# Altium PCB PCB.PcbDoc
Units mm, origin at the board's own origin, x right, y up, seen from the top; angles counter-clockwise.
Board outline 65 x 33 mm, 2 copper layers (Top Layer, Bottom Layer); 79 components, 43 nets, 264 pads, 107 vias.
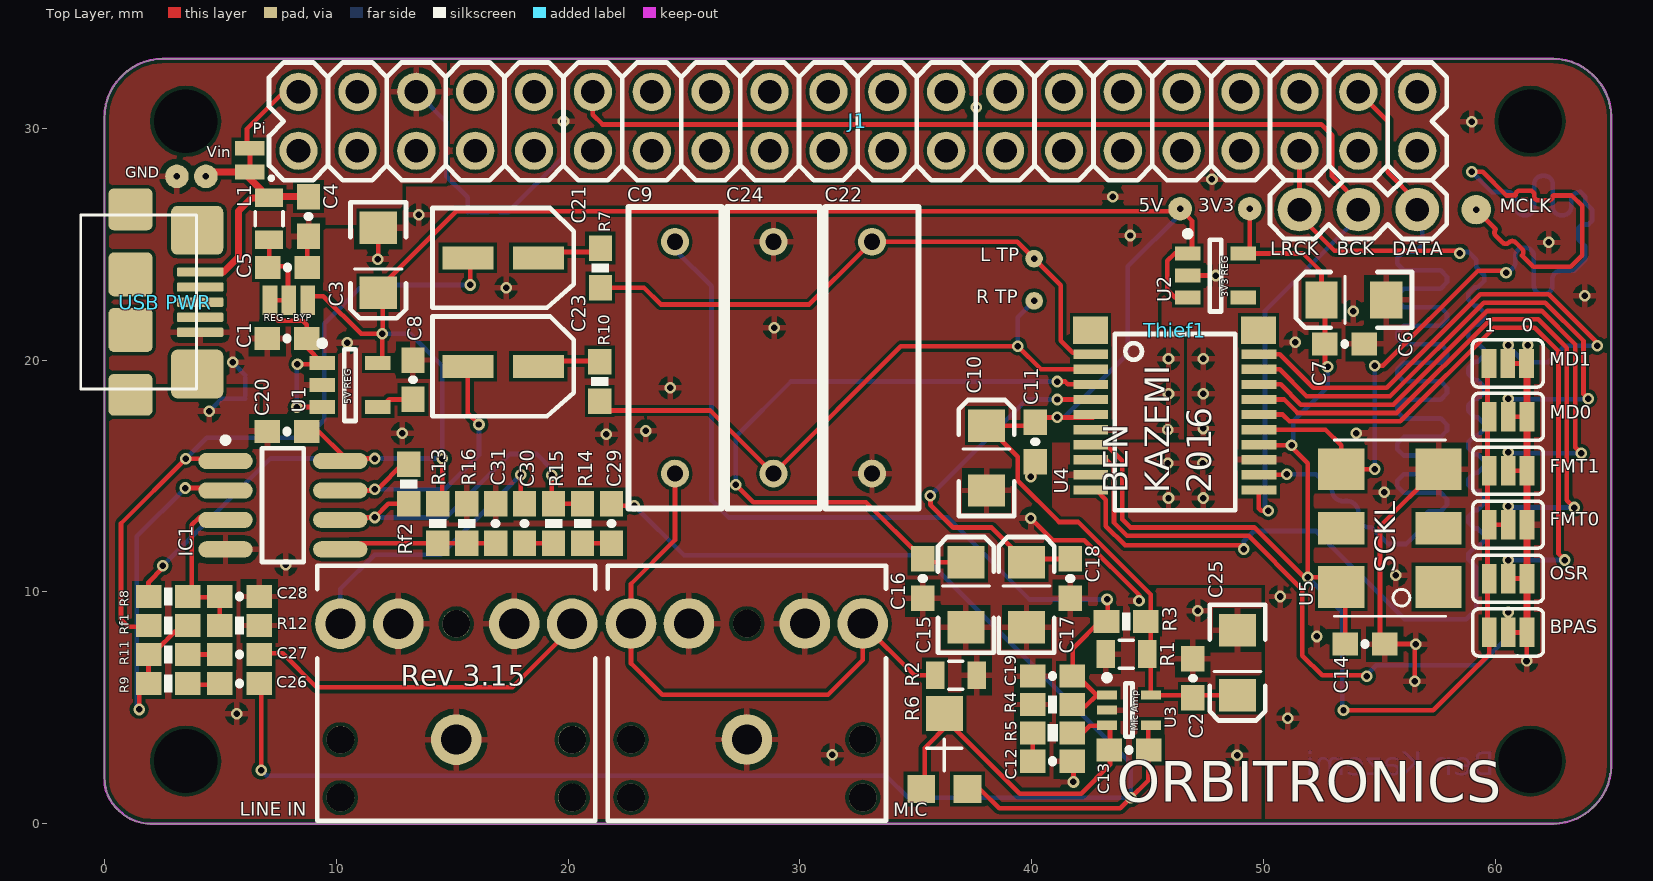
[diagram p0: Top Layer view]
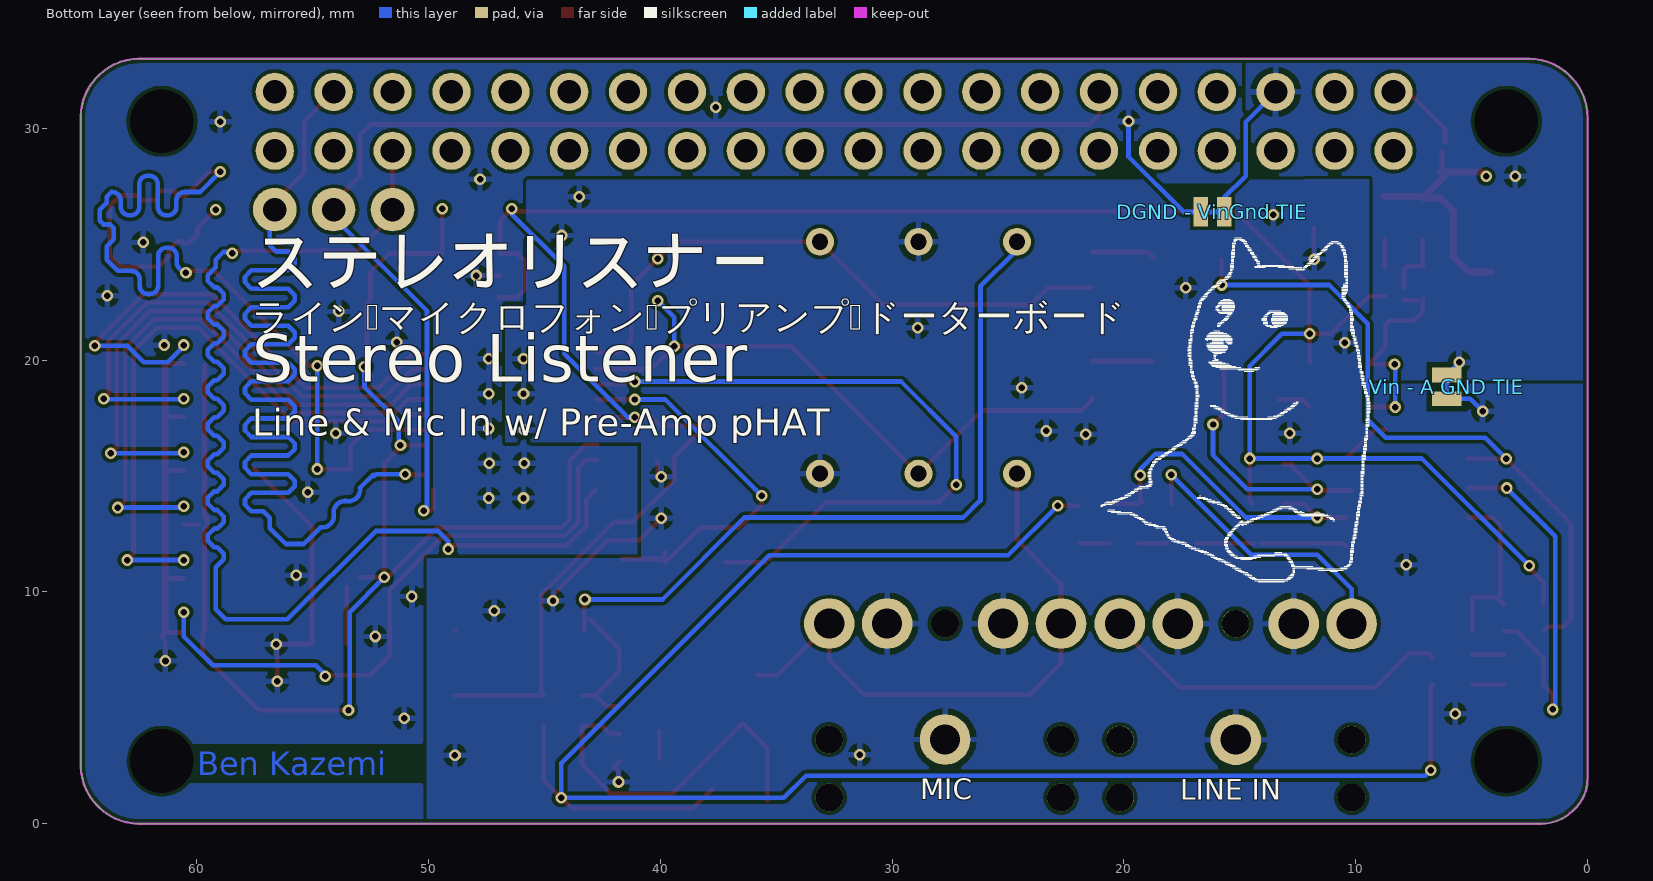
[diagram p1: Bottom Layer view, seen from below]

## Layer stack, top to bottom
Top Solder: solder mask 0.0102, Solder Resist, Dk 3.5
Top Layer: signal copper 0.0356
Dielectric 1: dielectric 0.32, FR-4, Dk 4.8
Bottom Layer: signal copper 0.0356
Bottom Solder: solder mask 0.0102, Solder Resist, Dk 3.5

## Board outline
0,10 0,30.46 cw(c2.54,30.46) 2.54,33 46,33 62.46,33 cw(c62.46,30.46) 65,30.46 65,6 65,2.54 cw(c62.46,2.54) 62.46,0 37,0 2,0 cw(c2,2) 0,2

## Design rules (kind name [scope] priority, off if disabled: settings)
Clearance [All] p1: gap=0.15
ComponentClearance [OnLayer('Top Layer') vs (InComponent('Designator2') AND InComponent('U3'))] p1: gap=0.1 collisioncheckmode=3 verticalgap=0.1 showdistances=TRUE
HoleSize [All] p1: absolutevalues=TRUE maxlimit=5 minlimit=0.254 maxpercent=80.000 minpercent=20.000
MatchedLengths I2S [InNetClass('I2S')] p1: tolerance=1 checknetsindiffpair=FALSE checkdiffpairvsdiffpair=TRUE checkxsignals=TRUE checkothers=TRUE
MinimumAnnularRing [All] p1: minimumring=0.102
MinimumSolderMaskSliver [Not InComponent('BPAS') and Not InComponent('FMT0') and Not InComponent('OSR') and Not InComponent('FMT1') and Not InComponent('MD0') and Not InComponent('MD1') and Not InComponent('REG - BYP')] p1: minsoldermaskwidth=0.102
PlaneClearance [All] p1: clearance=0.254
PolygonConnect [All] p1: connectstyle=Relief reliefconductorwidth=0.254 reliefentries=4 polygonreliefangle="90 Angle" airgapwidth=0.254
RoutingVias [All] p1: holewidth=0.381 width=0.508 viastyle="Through Hole" minholewidth=0.254 minwidth=0.381 maxholewidth=1.016 maxwidth=1.5
SilkToSilkClearance [All] p1 off: silktosilkclearance=0.1
SilkToSolderMaskClearance [IsPad] p1 off: minsilkscreentomaskgap=0.07 clearancetoexposedcopper=TRUE
SolderMaskExpansion [All] p1: expansion=0.051
Width [All] p1: maxlimit=1.016 minlimit=0.2 preferedwidth=0.254
24 further rules are at their usual default settings.

## Classes and differential pairs
net class I2S: BCK DOUT LRCK SCK

## Components (designator, comment, footprint, x,y, rotation, side; value= is the part's Value field where it differs from the comment)
3V3 "" PAD.03X.04#1 49.4,26.525 r90 top
5V "" PAD.03X.04#1 46.4,26.525 r0 top
BPAS "" PAD-JUMPER-3-2OF3_NC_BY_TRACE_YES_SILK_FULL_BOX 60.55,8.25 r0 top net-tie
C1 "10uF" 0603-CAP 7.875,20.925 r180 top
C2 "0.1uF" 0603-CAP 46.949,6.273 r90 top
C3 "10uF" EIA3216 11.809,24.304 r270 top
C4 "0.01uF" 0603-CAP 8.8,26.2 r270 top
C5 "0.1uF" 0603-CAP 7.9,24 r0 top
C6 "10uF" EIA3216 53.9,22.6 r180 top
C7 "0.1uF" 0603-CAP 53.5,20.7 r0 top
C8 "0.01uF" 0603-CAP 13.31,19.152 r90 top
C9 "0.01uF Film" "WIMA PCM 10" 24.609,13.604 r90 top
C10 "10uF" EIA3216 38.05,15.775 r90 top
C11 "0.1uF" 0603-CAP 40.15,16.475 r270 top
C12 "1uF" 0603-CAP 40.9,2.692 r0 top
C13 "100pF" 0603-CAP 44.196,3.175 r0 top
C14 "0.01uF" 0603-CAP 54.375,7.75 r0 top
C15 "10uF" EIA3216 37.16,9.871 r90 top
C16 "0.1uF" 0603-CAP 35.298,10.571 r270 top
C17 "10uF" EIA3216 39.773,9.871 r90 top
C18 "0.1uF" 0603-CAP 41.664,10.571 r270 top
C19 "1uF" 0603-CAP 40.9,6.367 r180 top
C20 "0.1uF" 0603-CAP 7.875,16.925 r180 top
C21 "1uF electro" PANASONIC_B_ELECTRO 17.196,24.409 r0 top
C22 "0.01uF Film" "WIMA PCM 10" 33.109,26.604 r270 top
C23 "1uF electro" PANASONIC_B_ELECTRO 17.196,19.729 r0 top
C24 "0.01uF Film" "WIMA PCM 10" 28.859,13.604 r90 top
C25 "10uF" EIA3216 48.874,6.948 r270 top
C26 "1uF" 0603-CAP 5.82,6.05 r180 top
C27 "1uF" 0603-CAP 5.825,7.3 r180 top
C28 "1uF" 0603-CAP 5.825,9.8 r0 top
C29 "1uF" 0603-CAP 21.875,12.95 r270 top
C30 "1uF" 0603-CAP 18.125,12.95 r270 top
C31 "1uF" 0603-CAP 16.875,12.95 r90 top
"DGND - VinGnd TIE" "JUMPER-PAD-2-NC_BY_TRACENO_SILK" PAD-JUMPER-2-NC_BY_TRACE_NO_SILK 16.18,26.391 r180 bottom net-tie
FMT0 "" PAD-JUMPER-3-2OF3_NC_BY_TRACE_YES_SILK_FULL_BOX 60.55,12.9 r180 top net-tie
FMT1 "" PAD-JUMPER-3-2OF3_NC_BY_TRACE_YES_SILK_FULL_BOX 60.55,15.225 r0 top net-tie
GND "" PAD.03X.04#2 12.2,27.3 r90 top
IC1 "Generic op-amp footprint" MCHP-SOIC-OA8_M 7.696,13.741 r0 top
J1 "Pi Connector" 2X20 32.5,30.3 r0 top
L1 "" 0805 7.1,26.1 r270 top
"L TP" "TEST-POINT3" PAD.03X.03 40.1,24.375 r90 top
"LINE IN" "Line In Stereo jack" AUDIO-JACK 15.175,3.625 r90 top
"LRCK   BCK   DATA" "Header 3Standard 3-pin 0.1\" header. Use with straight break away headers (SKU : PRT-00116), right angle break away headers (PRT-00553), swiss pins (PRT-00743), machine pins (PRT-00117), and female headers (PRT-00115). Molex polarized connector foot print use with SKU : PRT-08232 with associated crimp pins and housings." 1X03 51.552,26.49 r0 top
MCLK "" PAD.03X.05 59.172,26.49 r90 top
MD0 "" PAD-JUMPER-3-2OF3_NC_BY_TRACE_YES_SILK_FULL_BOX 60.55,17.55 r0 top net-tie
MD1 "" PAD-JUMPER-3-2OF3_NC_BY_TRACE_YES_SILK_FULL_BOX 60.534,19.854 r0 top net-tie
MIC "Mic Jack" AUDIO-JACK 27.711,3.632 r90 top
OSR "" PAD-JUMPER-3-2OF3_NC_BY_TRACE_YES_SILK_FULL_BOX 60.55,10.575 r0 top net-tie
Pi "JUMPER-PAD-2-NC_BY_TRACENO_SILK" PAD-JUMPER-2-NC_BY_TRACE_NO_SILK 6.275,28.625 r270 top net-tie
R1 "2K" 0805 44.085,7.315 r180 top
R2 "2K" 0805 36.728,6.401 r180 top
R3 "1M" 0603-RES 44.075,8.725 r0 top
R4 "1M" 0603-RES 40.9,5.142 r0 top
R5 "10K" 0603-RES 40.9,3.917 r180 top
R6 "100K" Trimmer 35.23,1.499 r0 top
R7 "100r" 0603-RES 21.392,23.978 r270 top
R8 "1M" 0603-RES 2.75,9.8 r180 top
R9 "10K" 0603-RES 2.75,6.05 r0 top
R10 "100r" 0603-RES 21.361,19.075 r270 top
R11 "10K" 0603-RES 2.75,7.3 r0 top
R12 "1M" 0603-RES 5.825,8.55 r180 top
R13 "1M" 0603-RES 14.375,12.95 r90 top
R14 "10K" 0603-RES 20.625,12.95 r270 top
R15 "10K" 0603-RES 19.375,12.95 r270 top
R16 "1M" 0603-RES 15.625,12.95 r270 top
"R TP" "TEST-POINT3" PAD.03X.03 40.107,22.555 r90 top
"REG - BYP" "JUMPER-PAD-3-2OF3_NC_BY_TRACE_SMALL" "3 pad jumper 2 of 3 connected no silk screen" 8.7,21.95 r180 top net-tie
Rf1 "10K" 0603-RES 2.75,8.55 r0 top
Rf2 "10K" 0603-RES 13.125,14.65 r270 top
Thief1 "Solder Thief" "SOP Solder Thief" 49.784,21.285 r180 top
U1 "Optional 4.75V Reg" TI-DBV5_N 10.592,18.923 r0 top
U2 "3.3V Regulator" TI-DBV5_N 47.93,23.647 r0 top
U3 "MAX4466" SC70-LT5_N 44.196,4.902 r0 top
U4 "PCM1803a" SSOP20 46.175,17.325 r270 top
U5 "24.576MHz OSCILLATOR" CRYSTAL-SMD-7.5X5.2-6PIN 55.45,12.75 r90 top
"USB PWR" "Optional USB Power" MicroUSB-HRS1 3.05,22.5 r270 top
Vin "" PAD.03X.04#1 4.375,27.925 r0 top
"Vin - A GND TIE" "JUMPER-PAD-2-NC_BY_TRACENO_SILK" PAD-JUMPER-2-NC_BY_TRACE_NO_SILK 6.075,18.846 r90 bottom net-tie

## Footprints (in the part's own frame and the unit in brackets; to place one, negate y for a bottom-side part, rotate by r counter-clockwise, add the part's x,y. Pads: shape width x height; smd on the part's side, far side on the other; paste and mask are expansions set on the pad)
1X03 [mil]
  round 74 hole 40: 1(0,0) 2(100,0) 3(200,0)
  silkscreen extent -50,-50 250,50
2X20 [mil]
  round 65 hole 40: 1(-950,-50) 2(-950,50) 3(-850,-50) 4(-850,50) 5(-750,-50) 6(-750,50) 7(-650,-50) 8(-650,50) 9(-550,-50) 10(-550,50) 11(-450,-50) 12(-450,50) 13(-350,-50) 14(-350,50) 15(-250,-50) 16(-250,50) 17(-150,-50) 18(-150,50) 19(-50,-50) 20(-50,50) 21(50,-50) 22(50,50) 23(150,-50) 24(150,50) 25(250,-50) 26(250,50) 27(350,-50) 28(350,50) 29(450,-50) 30(450,50) 31(550,-50) 32(550,50) 33(650,-50) 34(650,50) 35(750,-50) 36(750,50) 37(850,-50) 38(850,50) 39(950,-50) 40(950,50)
  silkscreen extent -1000,-100 1000,100
"3 pad jumper 2 of 3 connected no silk screen" [mm]
  rect 0.635x1.27 smd: 1(-0.067,-0.634) 2(0.746,-0.634) 3(1.559,-0.634)
  Top Layer lines w0.203: 1.381,-0.634 0.746,-0.634
0603-CAP [mm]
  rect 1.1x1 smd: 1(-0.85,0) 2(0.85,0)
  silkscreen extent 0,-0.03 0,0.03
0603-RES [mm]
  rect 1.1x1 smd: 1(-0.85,0) 2(0.85,0)
  silkscreen extent -0.19,-0.38 0.19,0.38
0805 [mil]
  rect 31.5x47.24 smd: 1(-35.43,0) 2(35.43,0)
  silkscreen extent -12,-24 12,24
AUDIO-JACK [mm]
  round 1.2 hole 1.2: 1(-2.5,5) 1(-2.5,-5) 1(0,5) 1(0,-5) 1(5,0)
  round 2.184 hole 1.3: RING(5,5) RSH(5,2.5) SLEEVE(0,0) TIP(5,-5) TSH(5,-2.5)
  silkscreen extent -3.5,-6 7.5,6
CRYSTAL-SMD-7.5X5.2-6PIN [mm]
  rect 1.8x2 smd: 1(-2.54,-2.1) 2(2.54,-2.1) 3(2.54,2.1) 4(-2.54,2.1)
  rect 1.4x2 smd: NC0(0,-2.1) NC1(0,2.1)
  silkscreen extent -3.8,-2.4 3.8,2.4
EIA3216 [mm]
  rect 1.4x1.6 smd: A(1.4,0) C(-1.4,0)
  silkscreen extent -2.5,-1.2 2.5,1.2
MCHP-SOIC-OA8_M [mm] "SOIC, 8-Leads, Body 4.9x3.9mm, Pitch 1.27mm, IPC Low Density"
  oval 2.35x0.7 smd: 1(-2.475,1.905) 2(-2.475,0.635) 3(-2.475,-0.635) 4(-2.475,-1.905) 5(2.475,-1.905) 6(2.475,-0.635) 7(2.475,0.635) 8(2.475,1.905)
  silkscreen extent -2.6,-2.45 0.9,2.93, body extent -1.95,-2.45 1.95,2.45, height 1.75
MicroUSB-HRS1 [mm] "MicroUSB HRS ZX62-AB-5PA"
  rrect25% 0.4x2 smd: 1(-1.3,1.075) 2(-0.65,1.075) 3(0,1.075) 4(0.65,1.075) 5(1.3,1.075)
  rrect25% 2.1x2.25 smd: 6(3.1,0.95) 7(-3.1,0.95)
  rrect25% 1.8x1.9 smd: 8(-4,-1.925) 9(4,-1.925)
  rrect25% 1.9x1.9 smd: 10(-1.2,-1.925) 11(1.2,-1.925)
  silkscreen extent -3.75,-4.08 3.75,0.92, body extent -4.45,-4.75 4.45,0.97, height 3.2
PAD-JUMPER-2-NC_BY_TRACE_NO_SILK [mil]
  rect 25x50 smd: 1(-20,0) 2(20,0)
  Top Layer lines w8: 15,0 -15,0
PAD-JUMPER-3-2OF3_NC_BY_TRACE_YES_SILK_FULL_BOX [mil]
  rect 25x50 smd: 1(-32,0) 2(0,0) 3(32,0)
  Top Layer lines w8: 0,0 25,0
  silkscreen extent -60,-40 60,40
PAD.03X.03 [mil]
  rrect100% 30x30 smd: P$1(0,0)
PAD.03X.04#1 [mil]
  rrect100% 40x40 smd: P$1(0,0)
PAD.03X.04#2 [mil]
  rrect100% 40x40 smd: P$1(24.61,357.28)
PAD.03X.05 [mm]
  rrect100% 1.27x1.27 smd: P$1(0,0)
PANASONIC_B_ELECTRO [mm]
  rect 2.2x1 smd: +(1.524,0) -(-1.524,0)
  silkscreen extent -3.05,-2.15 3.05,2.15
SC70-LT5_N [mm] "SOT353, 5-Leads, Body 2x1.3mm, Pitch 0.65mm, Lead Span 2.1mm, IPC Medium Density"
  rect 0.85x0.4 smd: 1(-0.95,0.65) 2(-0.95,0) 3(-0.95,-0.65) 4(0.95,-0.65) 5(0.95,0.65)
  silkscreen extent -1.07,-1.15 0.15,1.52, body extent -0.67,-1.12 0.68,1.13, height 1.1
"SOP Solder Thief" [mm]
  rect 1.5x1.2 smd: T(0,0) T(7.25,0)
SSOP20 [mm]
  rect 0.4x1.5 smd: 1(-2.925,-3.625) 2(-2.275,-3.625) 3(-1.625,-3.625) 4(-0.975,-3.625) 5(-0.325,-3.625) 6(0.325,-3.625) 7(0.975,-3.625) 8(1.625,-3.625) 9(2.275,-3.625) 10(2.925,-3.625) 11(2.925,3.625) 12(2.275,3.625) 13(1.625,3.625) 14(0.975,3.625) 15(0.325,3.625) 16(-0.325,3.625) 17(-0.975,3.625) 18(-1.625,3.625) 19(-2.275,3.625) 20(-2.925,3.625)
  silkscreen extent -3.82,-2.6 3.8,2.6
TI-DBV5_N [mm] "SOT23, 5-Leads, Body 2.9x1.6mm, Pitch 0.95mm, IPC Medium Density"
  rect 1.1x0.6 smd: 1(-1.2,0.95) 2(-1.2,0) 3(-1.2,-0.95) 4(1.2,-0.95) 5(1.2,0.95)
  silkscreen extent -1.32,-1.55 0.25,1.92, body extent -0.87,-1.52 0.87,1.53, height 1.45
Trimmer [mm]
  rect 1.2x1.2 smd: 1(0,0) 3(2,0)
  rect 1.6x1.5 smd: 2(1,3.25)
  silkscreen extent 0.25,0.77 1.75,2.15
"WIMA PCM 10" [mm]
  round 1.2 hole 0.7: 1(1.5,0) 2(11.5,0)
  silkscreen extent 0,-2 13,2

## Part data
3V3 5V GND Vin: library part TEST-POINT3X4, "Bare copper test points for troubleshooting or ICT"
BPAS FMT0 FMT1 MD0 MD1 OSR: library part JUMPER-PAD-3-2OF3_NC_BY_TRACE_SMALL, "JUMPER-PAD-3-2OF3_NC_BY_TRACE_SMALL"
C1 C2 C4 C5 C7 C8 C11 C12 C13 C14 C16 C18 C19 C20 C26 C27 C28 C29 C30 C31: library part 0.1UF-25V-5%(0603)
C3 C6 C10 C15 C17 C25: library part CAP_POL1206, "Capacitor PolarizedThese are standard SMD and PTH capacitors. Normally 10uF, 47uF, and 100uF in electrolytic and tantalum varieties. Always verify the external diameter of the through hole cap, it varies with capacity, voltage, and manufacturer. The EIA devices should be standard."
C9 C22 C24: library part 0.1UF-50V-20%(PTH)KIT-EZ, "CAP-08370"
C21 C23: library part CAP_POLC, "Capacitor PolarizedThese are standard SMD and PTH capacitors. Normally 10uF, 47uF, and 100uF in electrolytic and tantalum varieties. Always verify the external diameter of the through hole cap, it varies with capacity, voltage, and manufacturer. The EIA devices should be standard."
IC1: library part OPAMP-DUALU
J1: library part M20X2, "0.1\" spaced headers"
L1: library part INDUCTOR0805, "Inductors   Basic Inductor/Choke - 0603 and 1206. Footprints are not proven and vary greatly between part numbers. INDUCTOR POWER 3.3UH 4.0A SMD 0.197\" L x 0.197\" W x 0.177\" H (5.00mm x 5.00mm x 4.50mm)"
"LINE IN" MIC: library part AUDIO-JACK2PTH
"LRCK   BCK   DATA": library part M03PTH
MCLK: library part TEST-POINT3X5, "TEST-POINT3X5"
R1 R2: library part RESISTOR0805-RES, "ResistorBasic schematic elements and footprints for 0603, 1206, and PTH resistors."
R3 R4 R7 R8 R9 R10 R11 R12 R13 R14 R15 R16 Rf1 Rf2: library part RESISTOR0603, "ResistorBasic schematic elements and footprints for 0603, 1206, and PTH resistors."
R5: library part RESISTOR0603-RES
R6: library part RPot, "Potentiometer"
Thief1: library part "Solder Thief SOP"
U1: library part TPS793475DBVR, "Single Output High PSRR LDO, 200 mA, Fixed 4.75 V Output, 2.7 to 5.5 V Input, 5-pin SOT-23 (DBV), -40 to 85 degC, Green (RoHS & no Sb/Br)"
U2: library part MIC52053.3V
U3: library part OPA344, "Single gate rail-to-rail output op-amp. Inputs extend 300mV past rails."
U4: library part PCM1803SMD, "24-bit ADC"
U5: library part OSCILLATORSMD6
"USB PWR": library part MicroUSB-HRS-ZX62-AB-5PA

## Free pads (board coordinates)
  round 1.524 hole 2.75: 3(3.5,2.7) 3(3.5,30.3) 3(61.5,2.7) 3(61.5,30.3)

## Via types
v1: diameter 0.5, hole 0.279, Top Layer to Bottom Layer, tented both sides, 98 vias
v2: diameter 0.5, hole 0.279, Top Layer to Bottom Layer, tented bottom, 6 vias
v3: diameter 0.5, hole 0.3, Top Layer to Bottom Layer, tented both sides, 1 vias
v4: diameter 0.5, hole 0.279, Top Layer to Bottom Layer, 1 vias
v5: diameter 0.5, hole 0.292, Top Layer to Bottom Layer, tented both sides, 1 vias

## Nets (pads, with @x,y where several pads share a name; then routed paths per layer and width w, separated by ;. In a path a pad name is that pad's centre, name@x,y a point inside that pad or via, vN(x,y) a via of type N, cw(c..) or ccw(c..) an arc to the next point about the centre after c; other vN are vias at no path point)
3.3V: 3V3.P$1 BPAS.1 C6.A C7.1 C14.1 FMT0.3 FMT1.1 MD0.1 MD1.1 OSR.1 U2.5 U4.7 U4.14 U5.4 | length 63.5
  Top Layer w0.2: U4.7@42.727,16.348 43.206,16.348 43.9,15.653 43.9,13.125 44.245,12.78 49.595,12.78 51.75,10.625 v1(51.9,10.625) ; v2(49.4,26.525) 49.4,24.598 51.702,24.598 52.5,23.8 C6.A 52.65,22.45 C7.1 52.65,19.824 v1(52.76,19.714) ; U4.14@50.025,16.35 50.048,16.327 51.123,16.327 51.9,15.55 v1(51.9,10.625) ; U5.4@52.935,10.625 v1(51.9,10.625) ; v1(53.449,4.897) 57.322,4.897 59.737,7.312 BPAS.1 ; C14.1 U5.4@53.525,10.21 ; BPAS.1@59.662,8.3 59.662,12.691 59.553,12.8 59.553,13.209 59.662,13.209 MD1.1@59.662,19.815
  Bottom Layer w0.2: v1@51.278,16.327 51.278,17.353 52.76,18.835 v1(52.76,19.714) ; v1(51.9,10.625) 53.4,9.125 53.4,4.946 v1(53.449,4.897)
  other v1: 51.206,16.327
5V: 5V.P$1 "REG - BYP.1" C2.1 C3.A C10.A C11.1 C20.1 C25.A IC1.8 R1.1 R3.2 R8.2 R13.2 U1.5 U2.1 U2.3 U3.5 U4.5 | length 112.6
  Top Layer w0.2: R8.2@1.9,9.45 1.9,10.421 2.513,11.033 v1(2.513,11.122) ; C20.1@8.724,16.993 9.169,16.993 IC1.8@10.4,15.762 ; 8.728,22.757 9.443,22.757 11.067,21.133 v1(11.975,21.133) U1.5@11.975,19.896 ; IC1.8@10.459,15.753 v1(11.65,15.753) ; v1@12,21.133 12,23.046 11.9,23.146 15.17,26.416 46.291,26.416 v2(46.4,26.525) 46.912,26.012 U2.1@46.912,24.598 ; R13.2@14.469,13.8 14.572,13.903 v1(14.572,15.753) ; U4.5@42.775,17.65 42.651,17.526 40.351,17.526 C11.1 40,17.175 C10.A 39.39,15.835 39.39,14.804 41.178,13.016 42.001,13.016 45.127,9.889 45.127,5.652 45.024,5.548 C25.A ; U2.3@46.934,22.697 46.184,22.697 45.847,23.035 45.847,24.282 46.162,24.597 U2.1@46.934,24.597
  Bottom Layer w0.2: v1(2.513,11.122) 7.144,15.753 v1(11.65,15.753) v1(14.572,15.753) 14.572,19.744 13.183,21.133 v1(11.975,21.133) ; v1(41.1,17.526) 41.402,17.526 44.145,20.269 44.145,24.045 46.4,26.3 v2(46.4,26.525)
AGND: "LINE IN.RSH" "LINE IN.SLEEVE" "LINE IN.TSH" "Vin - A GND TIE.1" C2.2 C3.C C8.2 C10.C C11.2 C12.2 C15.C C16.2 C17.C C18.2 C19.2 C20.2 C22.2 C24.2 C25.C C28.2 C31.2 IC1.4 MIC.RSH MIC.SLEEVE MIC.TSH R1.2 R2.1 R4.1 R12.1 R16.1 U3.2 U4.6 | length 11.3
  Top Layer w0.2: v1@11.809,24.382 C3.C ; v1(39.954,13.183) 40.906,12.231 42.272,12.231 44.627,9.876 v1(44.627,9.625) ; v1(39.954,14.961) 40.103,14.961 40.103,15.578 C11.2 ; C12.2@41.749,2.692 42.012,2.43 41.8,2.218 v1(41.8,1.8) ; C25.C@48.849,8.323 C25.C
  Bottom Layer w0.2: v1(4.521,17.8) 5.059,18.338 6.075,18.338
  other v1: 48.856,2.946 31.4,2.975 5.7,4.75 47.168,9.195 7.825,11.175 21.65,16.8 12.852,16.84 23.343,16.942 45.875,17 45.9,18.55 24.4,18.8 45.9,20.05 10.475,20.746 28.9,21.4 17.323,23.114 11.786,24.359 44.25,25.375 13.564,26.264 43.5,27.05
AUDIOIN_L_LINE: "LINE IN.TIP" C27.1 | length 15.5
  Top Layer w0.2: C27.1@6.675,7.15 6.875,7.35 7.687,7.35 9.144,5.893 17.602,5.893 20.342,8.632
AUDIOIN_R_LINE: "LINE IN.RING" C30.1 | length 12.6
  Top Layer w0.2: C30.1@17.95,13.8 v1(17.95,15.05)
  Bottom Layer w0.2: 10.175,8.625 10.175,10.125 11.65,11.6 14.5,11.6 v1(17.95,15.05)
BCK: "LRCK   BCK   DATA.2" J1.12 U4.11 | length 53.3
  Top Layer w0.2: J1.12 21.07,30.58 21.484,30.165 52.485,30.165 52.955,29.695 52.955,27.929 54.14,26.744 54.14,26.49 54.14,26.175 ; U4.11 49.8,13.6 49.9,13.5 v1(50.2,13.5)
  Bottom Layer w0.2: v1(50.2,13.5) 50.127,13.5 50.063,13.563 50.063,22.123 54.092,26.152 54.092,26.49
BPAS: BPAS.2 U4.8 | length 26.7
  Top Layer w0.2: U4.8@42.727,15.698 43.206,15.698 43.55,15.353 43.55,12.98 44.11,12.42 49.355,12.42 51.675,10.1 51.675,7.253 52.528,6.4 54.421,6.4 v1(54.46,6.361)
  Bottom Layer w0.2: v1@54.331,6.31 54.854,6.833 59.309,6.833 60.554,8.077 v1(60.554,9.119)
DGND: "DGND - VinGnd TIE.1" BPAS.3 C6.C C7.2 C14.2 FMT0.1 FMT1.3 MD0.3 MD1.3 OSR.3 U2.2 U4.9 U4.13 U5.2 | length 30.9
  Top Layer w0.2: U2.2@46.896,23.648 v1@47.93,23.648 ; v1(56.515,6.147) 56.515,7.834 v1@56.549,7.868 ; v1(56.563,7.75) 55.025,7.75 55.025,12.825 U5.2@57.52,15.32 ; v3(61.35,7.025) 61.35,7.918 BPAS.3@61.537,8.104
  Top Layer w0.3: BPAS.3 OSR.3 FMT0.1 FMT1.3 MD0.3 MD1.3@61.363,19.838
  Bottom Layer w0.2: 17.061,26.391 17.426,26.391 19.8,28.765 v1(19.8,30.3)
  other v1: 51.05,4.55 52.299,8.077 55.708,10.719 45.9,14.05 47.4,14.05 55.2,14.3 45.875,15.55 47.375,15.55 54,16.84 47.4,17.05 47.4,18.55 47.4,20.05 61.392,20.65 51.359,20.777 53.873,22.098 63.85,22.775 47.93,23.647 62.3,25.075 47.775,27.8 58.975,30.275 37.6,30.9
  other v5: 50.725,9.8
DOUT: "LRCK   BCK   DATA.3" J1.38 U4.12 | length 53.4
  Top Layer w0.2: U4.12@50.025,15.05 v1@50.8,15.05 ; J1.38 55.35,30.31 55.35,28.1 56.632,26.818 56.632,26.617
  Bottom Layer w0.2: v1(51,15.075) 52.262,15.075 52.337,15 52.387,15.05 52.953,14.484 ccw(c53.448,14.414) 53.518,13.919 cw(c53.589,13.424) 54.084,13.353 ccw(c54.579,13.282) 54.65,12.787 55.056,12.381 55.372,12.065 56.159,12.065 56.845,12.751 56.845,13.203 57.125,13.483 57.635,13.483 57.915,13.763 57.915,14.003 57.635,14.283 56.845,14.283 56.055,14.283 55.775,14.563 55.775,14.803 56.055,15.083 56.845,15.083 57.635,15.083 57.915,15.363 57.915,15.603 57.635,15.883 56.845,15.883 56.055,15.883 55.775,16.163 55.775,16.403 56.055,16.683 56.845,16.683 57.635,16.683 57.915,16.963 57.915,17.203 57.635,17.483 56.845,17.483 56.055,17.483 55.775,17.763 55.775,18.003 56.055,18.283 56.845,18.283 57.635,18.283 57.915,18.563 57.915,18.803 57.635,19.083 56.845,19.083 56.055,19.083 55.775,19.363 55.775,19.603 56.055,19.883 56.845,19.883 57.635,19.883 57.915,20.163 57.915,20.403 57.635,20.683 56.845,20.683 56.055,20.683 55.775,20.963 55.775,21.203 56.055,21.483 56.845,21.483 57.635,21.483 57.915,21.763 57.915,22.003 57.635,22.283 56.845,22.283 56.055,22.283 55.775,22.563 55.775,22.803 56.055,23.083 56.845,23.083 57.635,23.083 57.915,23.363 57.915,23.603 57.635,23.883 56.845,23.883 56.055,23.883 55.775,24.163 55.775,24.403 56.055,24.683 56.565,24.683 56.845,24.963 56.845,25.483 56.845,25.883 56.845,26.276 56.632,26.49
FMT0: FMT0.2 U4.17 | length 25.5
  Top Layer w0.2: U4.17@50.025,18.3 50.885,18.3 51.465,17.72 55.753,17.72 59.793,21.76 61.849,21.76 63.085,20.524 63.085,13.955 v1(63.4,13.64)
  Bottom Layer w0.2: v1(60.554,13.691) 60.604,13.64 v1(63.4,13.64) v1@63.298,13.741
FMT1: FMT1.2 U4.18 | length 24
  Top Layer w0.2: U4.18@50.025,18.95 50.744,18.95 51.614,18.08 55.604,18.08 59.644,22.12 61.998,22.12 63.445,20.673 63.445,16.232 v1(63.7,15.977)
  Bottom Layer w0.2: v1(60.554,16.027) 60.604,15.977 v1(63.7,15.977)
INTO_BPF_L: C21.- IC1.1 Rf1.1 | length 30
  Top Layer w0.2: Rf1.1@1.9,8.3 1.7,8.5 1.025,8.5 0.711,8.814 0.711,12.951 v1(3.505,15.745) ; v1@3.51,15.75 IC1.1@5.156,15.75 ; v1(15.773,23.241) C21.-@15.773,24.308
  Bottom Layer w0.2: v1(3.505,15.745) 4.41,16.65 8.7,16.65 9.474,17.424 9.474,21.565 11.151,23.241 v1(15.773,23.241)
INTO_BPF_R: C23.- IC1.7 Rf2.1 | length 12.7
  Top Layer w0.2: IC1.7 11.493,14.376 11.597,14.48 11.827,14.48 Rf2.1@12.847,15.5 ; Rf2.1@12.722,15.5 Rf2.1 ; C23.- 15.672,17.704 v1(16.154,17.221)
  Bottom Layer w0.2: v1(11.65,14.427) 14.681,14.427 16.154,15.9 v1(16.154,17.221)
LRCK: "LRCK   BCK   DATA.1" J1.35 U4.10 | length 52.8
  Top Layer w0.2: U4.10@42.775,14.4 43.2,13.975 43.2,12.835 44.025,12.01 48.99,12.01 v1(49.15,11.85) ; J1.35@51.995,29.03 J1.35 51.55,26.49 51.55,26.225 53.061,24.714 58.369,24.714 v1(58.471,24.613)
  Bottom Layer w0.2: v1(49.15,11.85) 49.15,12.193 49.582,12.625 52.272,12.625 56.083,8.814 58.75,8.814 59.182,9.246 59.182,10.566 59.182,11.068 59.117,11.133 58.837,11.413 58.837,11.653 59.117,11.933 59.182,11.933 59.247,11.933 59.527,12.213 59.527,12.453 59.247,12.733 59.182,12.733 59.117,12.733 58.837,13.013 58.837,13.253 59.117,13.533 59.182,13.533 59.247,13.533 59.527,13.813 59.527,14.053 59.247,14.333 59.182,14.333 59.117,14.333 58.837,14.613 58.837,14.853 59.117,15.133 59.182,15.133 59.247,15.133 59.527,15.413 59.527,15.653 59.247,15.933 59.182,15.933 59.117,15.933 58.837,16.213 58.837,16.453 59.117,16.733 59.182,16.733 59.247,16.733 59.527,17.013 59.527,17.253 59.247,17.533 59.182,17.533 59.117,17.533 58.837,17.813 58.837,18.053 59.117,18.333 59.182,18.333 59.247,18.333 59.527,18.613 59.527,18.853 59.247,19.133 59.182,19.133 59.117,19.133 58.837,19.413 58.837,19.653 59.117,19.933 59.182,19.933 59.247,19.933 59.527,20.213 59.527,20.453 59.247,20.733 59.182,20.733 59.117,20.733 58.837,21.013 58.837,21.253 59.117,21.533 59.182,21.533 59.247,21.533 59.527,21.813 59.527,22.053 59.247,22.333 59.182,22.333 59.117,22.333 58.837,22.613 58.837,22.853 59.117,23.133 59.182,23.133 59.247,23.133 59.527,23.413 59.527,23.653 59.247,23.933 59.182,23.998 59.182,24.333 58.852,24.663 v1@58.572,24.663
MAX_IN+: C9.2 C19.1 R3.1 R4.2 U3.1 | length 38
  Top Layer w0.2: R4.2@41.771,5.068 42.318,5.068 42.799,5.548 ; R3.1@43.053,8.839 41.769,7.555 41.769,6.577 42.799,5.548 ; v1(43.249,9.673) 43.274,9.648 R3.1@43.274,8.373 ; U3.1@43.374,5.548 42.799,5.548
  Bottom Layer w0.2: C9.2 24.609,24.755 26.187,23.177 26.187,13.945 26.924,13.208 36.368,13.208 39.903,9.673 v1(43.249,9.673)
MAX_IN-: C13.1 R5.1 R6.1 R6.2 U3.3 | length 15.9
  Top Layer w0.2: R6.1@35.382,1.016 35.382,3.266 36.446,4.329 39.475,1.3 42.128,1.3 43.374,2.546 U3.3@43.374,4.248 ; R5.1@41.749,3.867 42.145,3.867 42.501,4.223 U3.3@43.349,4.223
MAX_OUT: C13.2 C26.1 C29.1 R6.3 U3.4 | length 80.6
  Top Layer w0.2: C26.1@6.67,6 6.756,5.913 v1(6.756,2.311) ; C29.1@22,13.721 v1(22.861,13.721) ; R6.3@37.763,1.499 38.601,0.66 43.819,0.66 v1(44.272,1.113) 45.024,1.865 U3.4@45.024,4.248
  Bottom Layer w0.2: v1(6.756,2.311) 6.993,2.075 33.712,2.075 34.674,1.113 v1(44.272,1.113) 44.272,2.616 35.306,11.582 25,11.582 v1@22.861,13.721
MD0: MD0.2 U4.19 | length 22.2
  Top Layer w0.2: U4.19@50.025,19.6 50.693,19.6 51.853,18.44 55.455,18.44 59.495,22.48 62.147,22.48 63.805,20.823 63.805,18.531
  Bottom Layer w0.2: v1@60.525,18.3 60.538,18.313 v1@63.8,18.313
  other v1: 60.554,18.339 64,18.336
MD1: MD1.2 U4.20 | length 22.1
  Top Layer w0.2: U4.20@50.025,20.25 50.693,20.25 52.143,18.8 55.306,18.8 59.346,22.84 62.296,22.84 64.389,20.747 v1@64.389,20.599
  Bottom Layer w0.2: v1@60.604,20.625 60.604,20.549 61.24,19.914 62.281,19.914 62.992,20.625 v1(64.389,20.625)
  other v1: 60.554,20.65
MIC_A: C9.1 MIC.RING MIC.TIP R2.2 | length 25.8
  Top Layer w0.2: C9.1 24.609,12.239 22.711,10.342 MIC.RING 22.711,6.914 24.062,5.563 31.213,5.563 32.711,7.061 MIC.TIP 34.943,6.401 R2.2
NetC1_1: "REG - BYP.3" C1.1 U1.1 U1.3 | length 8.3
  Top Layer w0.2: 7.103,22.634 7.103,22.082 7.493,21.692 8.56,21.692 8.724,21.527 8.724,20.546 9.374,19.896 9.303,19.825 v1(8.325,19.825) ; v1(8.3,17.975) U1.3@9.353,17.975
  Bottom Layer w0.2: v1(8.3,17.975) v1@8.3,19.8
NetC5_1: "REG - BYP.2" C5.1 L1.2 | length 2.8
  Top Layer w0.2: L1.2 7.1,24.05 7.802,24.05 7.915,23.936 7.915,23.119
NetC8_1: C8.1 U1.4 | length 1.5
  Top Layer w0.2: U1.4@11.975,17.996 12.281,18.302 C8.1
NetC12_1: C12.1 R5.2 | length 1.2
  Top Layer w0.2: C12.1@40.048,2.803 R5.2@40.048,3.978
NetC15_A: C15.A C16.1 U4.3 | length 29.8
  Top Layer w0.2: v1(27.229,14.63) 27.991,13.868 32.851,13.868 C16.1 ; C16.1@35.448,11.271 C15.A C15.A@37.186,11.271 ; v1(41.1,19.075) 41.435,19.075 41.56,18.95 U4.3@42.775,18.95
  Bottom Layer w0.2: v1(27.229,14.63) 27.229,16.688 29.616,19.075 v1(41.1,19.075)
NetC17_A: C17.A C18.1 U4.4 | length 16.6
  Top Layer w0.2: v1(35.63,14.142) 35.63,13.767 36.621,12.776 38.268,12.776 C17.A ; C17.A@39.799,11.271 C17.A@39.799,11.738 ; C17.A@39.948,11.421 C18.1 ; v1(41.1,18.3) U4.4@42.775,18.3
  Bottom Layer w0.2: v1(35.63,14.142) 39.789,18.3 v1(41.1,18.3)
NetC21_+: C21.+ R7.1 | length 2.8
  Top Layer w0.2: C21.+ 18.974,24.663 21.367,24.663 R7.1@21.387,24.683
NetC23_+: C23.+ R10.1 | length 2.6
  Top Layer w0.2: C23.+@18.761,19.959 R10.1@21.387,19.959
NetC26_2: C26.2 R9.2 | length 1.4
  Top Layer w0.2: R9.2@3.6,6 C26.2@4.97,6
NetC27_2: C27.2 R11.2 | length 1.4
  Top Layer w0.2: R11.2 C27.2
NetC28_1: C28.1 IC1.3 R8.1 R12.2 | length 7.6
  Top Layer w0.2: R8.1@3.6,9.45 3.925,9.775 4.975,9.775 R12.2@4.975,8.3 ; R8.1@3.771,9.796 3.771,12.889 4.092,13.21 IC1.3@5.156,13.21
NetC29_2: C29.2 R14.2 | length 1.3
  Top Layer w0.2: R14.2 C29.2
NetC30_2: C30.2 R15.2 | length 1.3
  Top Layer w0.2: C30.2 R15.2
NetC31_1: C31.1 IC1.5 R13.1 R16.2 | length 6.3
  Top Layer w0.2: IC1.5@10.389,11.94 10.552,12.104 R13.1@14.072,12.104 ; R13.1 R16.2 C31.1
NetIC1_2: IC1.2 R9.1 R11.1 Rf1.2 | length 16.7
  Top Layer w0.2: v1(1.497,4.928) 1.497,5.587 1.905,5.995 1.9,6 1.9,7.15 2.55,7.8 2.554,7.8 2.7,7.946 2.7,7.95 3.05,8.3 Rf1.2@3.6,8.3 ; v1(3.48,14.48) IC1.2@5.156,14.48
  Bottom Layer w0.2: v1(1.497,4.928) 1.397,5.028 1.397,12.398 v1(3.48,14.48)
NetIC1_6: IC1.6 R14.1 R15.1 Rf2.2 | length 14.8
  Top Layer w0.2: IC1.6@10.389,13.21 v1@11.647,13.21 ; v1(11.65,13.21) 12.24,13.8 Rf2.2 ; R15.1@19.195,13.87 19.3,13.975 v1(19.3,15.025) ; R15.1 R14.1
  Bottom Layer w0.2: v1(11.65,13.21) 14.735,13.21 17.475,15.95 18.65,15.95 19.3,15.3 v1(19.3,15.025)
OSR: OSR.2 U4.16 | length 26.5
  Top Layer w0.2: U4.16@50.025,17.65 50.828,17.65 51.118,17.36 55.902,17.36 59.942,21.4 61.7,21.4 62.725,20.375 62.725,11.645 v1(62.995,11.375)
  Bottom Layer w0.2: v1(60.554,11.375) v1(62.995,11.375)
PIPWR: J1.2 Pi.1 | length 3.5
  Top Layer w0.2: Pi.1@6.147,29.368 6.147,29.972 7.745,31.57 J1.2
SCK: MCLK.P$1 U4.15 U5.3 | length 52
  Top Layer w0.2: U4.15@50.025,17 52.672,17 53.35,16.322 U5.3 v1@54.79,15.29 ; v1(54.8,19.75) 55.15,19.75 59.25,23.85 60.37,23.85 v1(60.461,23.759) ; v1(58.975,28.125) 59.45,28.125 60.475,27.1 60.835,27.1 ccw(c60.835,27.14) 60.875,27.14 cw(c61.035,27.14) 61.035,27.3 61.515,27.3 cw(c61.515,27.14) 61.675,27.14 61.675,27.1 61.675,27.06 ccw(c61.835,27.06) 61.835,26.9 62.315,26.9 ccw(c62.315,27.06) 62.475,27.06 cw(c62.515,27.06) 62.515,27.1 63.275,27.1 63.3,27.1 63.75,26.65 63.75,24.525 63.25,24.025 61.637,24.025 61.152,24.51 ccw(c61.01,24.652) 61.152,24.793 60.869,25.076 ccw(c60.728,24.934) 60.586,25.076 cw(c60.445,25.217) 60.303,25.076 60.021,25.359 cw(c60.162,25.5) 60.021,25.641 59.455,26.207 v4(59.172,26.49)
  Bottom Layer w0.2: v1(54.8,15.3) v1(54.8,19.75) ; v1(58.975,28.125) 59.85,27.25 60.075,27.25 60.515,27.25 cw(c60.515,26.89) 60.875,26.89 60.875,26.61 ccw(c61.235,26.61) 61.235,26.25 61.315,26.25 ccw(c61.315,26.61) 61.675,26.61 61.675,27.25 61.675,27.589 cw(c62.035,27.589) 62.035,27.949 62.115,27.949 cw(c62.115,27.589) 62.475,27.589 62.475,27.25 62.475,26.61 ccw(c62.835,26.61) 62.835,26.25 62.915,26.25 ccw(c62.915,26.61) 63.275,26.61 63.275,26.89 cw(c63.635,26.89) 63.635,27.25 63.675,27.25 63.875,27.05 63.875,26.79 64.015,26.65 64.175,26.49 64.175,26.01 64.015,25.85 63.875,25.85 63.735,25.85 63.575,25.69 63.575,25.21 63.735,25.05 63.875,24.91 63.875,24.325 63.4,23.85 63.261,23.85 62.821,23.85 ccw(c62.821,23.49) 62.461,23.49 62.461,23.21 cw(c62.101,23.21) 62.101,22.85 62.021,22.85 cw(c62.021,23.21) 61.661,23.21 61.661,23.85 61.661,24.49 ccw(c61.301,24.49) 61.301,24.85 61.221,24.85 ccw(c61.221,24.49) 60.861,24.49 60.861,24.21 cw(c60.501,24.21) 60.501,23.85 60.461,23.85 60.37,23.85 v1(60.461,23.759)
V_IN: "USB PWR.1" C4.1 L1.1 Pi.2 Vin.P$1 | length 10.7
  Top Layer w0.3: 4.125,23.8 5.129,23.8 5.775,24.446 5.775,26.425 6.35,27 L1.1 ; v2(4.375,27.925) 4.567,28.117 Pi.2@6.147,28.117 ; Pi.2@6.35,28.117 Pi.2@6.147,28.117 ; C4.1 7.05,27.05 6.147,27.953 Pi.2@6.147,28.117
VIN_GND: "DGND - VinGnd TIE.2" "USB PWR.5" "Vin - A GND TIE.2" C1.2 C4.2 C5.2 GND.P$1 J1.6 U1.2 | length 8.1
  Top Layer w0.2: C5.2 C4.2@8.75,25.2
  Bottom Layer w0.2: v1(5.531,19.914) 5.531,19.897 6.075,19.354 ; J1.6 14.75,30.27 14.75,27.937 15.672,27.016 15.672,26.391
  other v2: 3.125,27.925
VINL_B: "L TP.P$1" C22.1 R7.2 U4.1 | length 25.6
  Top Layer w0.2: R7.2 23.272,23.128 24,22.4 30.405,22.4 C22.1@32.752,24.748 ; C22.1 39.371,25.104 v2(40.1,24.375) 41.25,23.225 41.25,20.839 41.778,20.311 U4.1@42.727,20.311
VINR_B: "R TP.P$1" C24.1 R10.2 U4.2 | length 27.8
  Top Layer w0.2: R10.2@21.387,18.409 21.387,18.257 21.819,17.825 26.138,17.825 C24.1 34.355,20.6 v1(39.4,20.6) 40.4,19.6 U4.2@42.775,19.6
  Bottom Layer w0.2: v1(39.4,20.6) 39.4,21.849 v2(40.107,22.555)
pads on no net: "LINE IN.1" "USB PWR.2" "USB PWR.3" "USB PWR.4" "USB PWR.6" "USB PWR.7" "USB PWR.8" "USB PWR.9" "USB PWR.10" "USB PWR.11" J1.1 J1.3 J1.4 J1.5 J1.7 J1.8 J1.9 J1.10 J1.11 J1.13 J1.14 J1.15 J1.16 J1.17 J1.18 J1.19 J1.20 J1.21 J1.22 J1.23 J1.24 J1.25 J1.26 J1.27 J1.28 J1.29 J1.30 J1.31 J1.32 J1.33 J1.34 J1.36 J1.37 J1.39 J1.40 MIC.1 Thief1.T U2.4 U5.1 U5.NC0 U5.NC1

## Polygon pours and split planes (outlines as drawn)
AGND on Bottom Layer "Bottom AGND Pour" (solid, remove dead copper, pour order 8): 0,12.802 0,15.576 0.024,18.974 9.421,18.974 9.421,27.8 12.224,27.8 12.249,27.775 18.847,27.775 45.776,27.8 45.776,26.046 45.776,24.675 45.776,23.775 45.776,23.075 45.776,22.376 46.685,22.376 46.685,16.45 40.825,16.45 40.825,13.2 40.825,11.46 46.685,11.46 50.063,11.46 50.063,0.025 0.024,0.025
DGND on Bottom Layer "Bottom_DGND" (solid, remove dead copper, pour order 22): 12.2,33 12.289,33 12.289,27.627 45.776,27.625 45.776,16.358 40.825,16.358 40.825,11.46 46,11.46 46,10 50.165,10 50.165,0 65,0 65,33.1 65,33
VIN_GND on Bottom Layer "Top Vin_GND" (solid, remove dead copper, pour order 16): 4.674,14.975 2.54,15.025 2.184,14.925 1.275,15.025 0,13.75 -0.025,13.75 -0.025,33.575 -0.025,33.3 14.775,33.3 14.75,33.3 14.75,29.85 14.75,29.7 14.75,28.727 14.75,28.2 14.75,27.923 13.575,27.923 9.977,27.923 9.55,27.923 9.55,15.025 9.22,15.025 6.477,14.122 5.375,14.975
DGND on Top Layer "Top_Dgnd" (solid, remove dead copper, pour order 24): 14.925,32.832 14.925,27.7 30.5,27.7 45.6,27.7 45.6,21.5 45.6,21.479 46.715,21.479 46.715,16.587 46.715,16.429 40.894,16.429 40.894,12.954 40.894,10.312 50.063,10.312 50.063,0 65,0 65,33.1 65,33 15,33
VIN_GND on Top Layer "Top Vin_GND" (solid, remove dead copper, pour order 28): -0.1,33 -0.05,18.974 2.311,18.974 5.08,18.974 5.994,18.974 6.845,18.974 6.845,17.679 10.135,17.679 10.135,22.263 9.373,22.263 9.373,25.832 12.852,25.832 12.852,27.635 15.7,27.635 15.7,32.675 15.7,32.975 -0.05,32.975
AGND on Top Layer "Top AGND Pour" (solid, remove dead copper, pour order 32): 0,18.974 0,-0.229 50.038,-0.229 50.038,-0.279 50.038,10.312 49.936,10.312 45.898,10.312 45.898,11.303 45.898,11.421 41.664,11.421 41.453,11.421 41.453,16.561 46.715,16.561 46.715,21.479 46.715,21.823 46.715,22.262 47.694,22.262 47.694,25.032 47.694,25.222 47.015,25.222 47.015,27.051 47.015,27.61 15.799,27.61 15.748,27.61 12.344,27.61 10.55,27.051 9.424,25.925 9.5,15.672 9.5,16.256 6.68,16.256 6.845,16.256 6.845,18.819 6.845,18.923 -0.051,18.923

## Keep-outs
Keep-Out Layer:
  lines w0.1: 0,1.907 ccw(c1.707,1.907) 0.5,0.7 0.634,0.566 ccw(c2,1.931) 2,0 62.5,0 ccw(c62.5,2.414) 64.207,0.707 64.293,0.793 ccw(c62.586,2.5) 65,2.5 65,30.4 65,30.51 ccw(c62.61,30.51) 64.3,32.2 64.207,32.293 ccw(c62.5,30.586) 62.5,33 2.5,33 ccw(c2.5,30.586) 0.793,32.293 0.707,32.207 ccw(c2.414,30.5) 0,30.5 0,1.907

## Other copper
Bottom Layer:
  text "Ben Kazemi" at 59.975,2.1 h1

## Silkscreen, mask and mechanical layers (free items; w line width, h text height)
Top Overlay:
  circle w0.15: c7.2,27.85 r0.088
  lines w0.15: 60.935,7.239 60.96,7.239
  text "3V3 REG" at 48.59,22.708 h0.5 r90
  text "1" at 59.512,21.02 h1
  text "0" at 61.138,21.031 h1
  text "5V REG" at 10.744,18.085 h0.5 r90
  text "BEN / KAZEMI / 2016" at 48.082,14.249 h1.8 r90
  text "SCKL" at 55.982,10.82 h1.5 r90
  text "Rev 3.15" at 12.776,5.639 h1.5
  text "Mic Amp" at 44.704,4.013 h0.5 r90
  text "ORBITRONICS" at 43.675,0.375 h3
Bottom Overlay:
  drawing of 850 lines, arcs and shapes, not listed
  text "ステレオリスナー" at 57.588,22.597 h3.5
  text "ライン•マイクロフォン•プリアンプ•ドーターボード" at 57.591,20.921 h2
  text "Stereo Listener" at 57.591,18.39 h3.5
  text "Line & Mic In w/ Pre-Amp pHAT" at 57.591,16.358 h2
  text "MIC" at 28.778,0.753 h1.5
  text "LINE IN" at 17.577,0.737 h1.5
Top Solder:
  rectangle: 5.6,28.475 6.95,28.775
  rectangle: 7.225,21.9 8.65,23.275
  rectangle: 60,19.175 61.225,20.525
  rectangle: 60.025,16.875 61.225,18.225
  rectangle: 59.9,14.55 61.275,15.9
  rectangle: 59.925,12.225 61.325,13.575
  rectangle: 59.925,9.9 61.4,11.25
  rectangle: 59.875,7.575 61.425,8.925
Bottom Solder:
  rectangle: 15.675,25.975 16.675,26.8
  rectangle: 5.575,18.35 6.575,19.175
  text "Ben Kazemi © 2016" at 60.55,0.25 h2.5